# Allegro board SG2042_EVB_V2_0.brd (continued)
## Library data of the parts (continued)
FB4 FB12-FB20 FB1110 FB2014 FB2017 FB2019 FB2026-FB2029 FB2032 FB2033 FB2036 FB2040-FB2045 FB2047-FB2050 = FB
FB1106 = Ferrite
GPIO1 SMCL1 T2-T8 T79-T90 TP30-TP34 = TP30
H1-H10 H1607-H1610 = HOLE_3
ID1-ID6 = ID
J1-J4 = DDR4_RDIMM_SOCKET
J7 J13 J14 J17 J2022 = HEADER 12X2
J8 = Conn_microSD_3
J9 = RJ45_3
J10 = JTAG_2X10_1.54mm
J73 J2048 = SATA_DOM
J103 = U20401-2_1
J201 = HEADER_4
J1104 = PCIE_X16_SLOT_2
J2005 = HEADER_6
J2030 = CON_M2_PCI_EXP#1
J2033 J2034 = PCIEX4_3
J2036 = PCIEX1_1
J2038-J2041 = CON-2_54-4
J2045 = Header_2X10_Cut
J2046 = PCIEX8
J2047 = USB2_6.0+HDMI
K2 = KEY_0
L1 L5 L7 L22 L23 L26 L27 L38-L45 L1011 L1012 L1027 L1028 L1031-L1038 = Inductor
L1007 L1008 L1017 L1018 L1029 L1030 = ACM2012E-900-2P-T002
LED1 LED500-LED502 = LED_2PIN
MEC1 MEC2402 MEC2403 = MEC_STANDOFF
Q403 Q2008-Q2010 Q2018 Q2020 Q2022 Q2024-Q2036 = NMOS_3PIN
Q501 = 2N1069_1
R1-R18 R68-R85 R95 R173 R189 R235 R286-R299 R304 R306 R310 R313 R324 R339 R344 R353 R357 R443 R445 R449 R450 R489-R496 R576 R655 R657 R659 R660 R674-R677 R679 R680 R682 R685 R686 R701 R1142 R1144-R1146 R1305 R1306 R1311 R1312 R1332 R1334 R1335 R1348 R1350-R1352 R2021 R2023-R2025 R2037 R2054 R2056-R2060 R2068-R2088 R2091-R2094 R2098-R2101 R2104 R2106 R2111 R2112 R2114 R2183 R2186-R2189 R2198-R2200 R2250-R2253 R2303 R2304 R2331-R2338 R2340-R2344 R2383-R2385 R2393 R2440-R2443 R2445 R2446 R2466 R2467 R2490 R2491 R2495 R2514 R2516-R2518 R2520-R2522 R2527 R2528 R2579 R2582 R2583 R2585-R2588 R12484 R12486 R12487 R12489-R12494 R12496 R12498 R12500-R12510 R12512-R12514 R12517-R12519 R12521-R12524 R12526 R12527 R12531 R12536 R12539 R12552-R12560 R12562 R12564 R12568-R12574 R12577-R12581 R12584-R12588 R12592-R12599 R12612-R12617 R12662-R12670 R12672 R12673 R12675-R12678 R12718-R12725 R12746 R12747 R12750 R12751 R12754 R12755 R12758-R12771 R12796-R12801 R12807-R12810 R12815-R12820 R12822 R12823 R12825-R12837 R12841 R12842 R12845 R12847-R12851 R12853-R12856 R12858 R12860-R12863 R12867 R12869-R12873 R12875 R12876 R12879-R12882 R12885-R12888 R12905-R12919 R12922-R12924 R12947-R12958 R12961-R12977 R12979-R12983 R12985-R12989 R12991-R12997 R13016-R13024 R13029-R13031 = Resistor
R19-R24 R31-R34 R38-R42 R87-R90 R104 R106-R117 R124 R139 R143 R144 R147 R150 R153 R156 R161 R186 R196-R202 R208 R311 R470 R471 R483 R484 R1265 R2066 R2067 R2190-R2197 R2470 R2471 R2584 R12488 R12674 R12679-R12694 R12838 R12864 R12959 R12960 R12998-R13003 R13012-R13015 = R
R25-R30 R45 R48 R52 R55 R98-R101 R105 R119-R123 R125-R137 R141 R142 R145 R148 R151 R154 R159 R160 R162 R163 R167-R172 R174 R180 R184 R185 R188 R190 R191 R205 R206 R216 R218 R221 R223-R225 R230-R234 R236-R244 R246-R249 R252 R254 R255 R257 R258 R272 R276-R278 R307 R341 R354 R472-R475 R580 R588 R593 R597-R600 R1143 R1263 R1264 R1266 R1349 R2117 R2118 R2127 R2180 R2184 R2185 R2203-R2209 R2211-R2230 R2233 R2234 R2247 R2248 R2254 R2255 R2276-R2278 R2280-R2282 R2301 R2302 R2306 R2386-R2389 R2474 R2515 R2529-R2539 R2544 R2545 R2547 R2548 R2551 R2555-R2557 R2562-R2568 R2580 R12485 R12671 R12695-R12715 R12727 R12728 R12730-R12745 R12846 R12859 R12920 R12921 R12925-R12930 R12978 R12984 R12990 = R_10K
R36 R46 R47 R49-R51 R53 R54 R207 R209-R212 R215 R217 R219 R220 R222 R1220-R1235 R1246-R1254 = R_10K: signal model: R_10K_R0402_22_22
R58 R2113 R2241-R2244 R12839 R12840 R12843 R12844 R12852 R12857 R12865 R12866 R12868 R12874 R12877 R12878 = RESISTOR
R61-R63 R65-R67 R266-R271 R274 R275 R280-R285 R1214-R1219 R1267 R1268 R2299 R2525 R2526 R12495 R12497 R12499 R12561 R12589-R12591 = Resistor: signal model: RESISTOR_R0402_22_22
R91-R94 = R_4
R118 R138 = R_0
R1141 = SR0402_10K_+/-1%
R12453-R12456 R12600-R12611 R12784-R12795 R12931 R12932 R12934-R12939 R12943-R12946 R13025-R13028 = Resistor: signal model: RESISTOR_R0402_0R_1%_0R_1%
R12716 R12717 R13004-R13011 = R: signal model: R_R0402_22_22
SATA_P1 SATA_P2 = HEADER 4
SW201 = SW KEY-SPST
SW202 = SW DIP-6/SM
T1 = XFMR-H5007-NS_0: signal model: XFMR-H5007-NS_0_SOP24-50-1218-062_G2405CG_G2405CG
U1 = SG2042-0202
U2 = THGBMFG8C4LBAIR
U5 U13 = TPS22908
U7 = RTL8211FD-CG
U11 = TMP461AIRUNR_0
U12 U14 U806 U807 U814 U2003 U2006 U2010 U2018 = TXS0108E
U17 = LMK00338
U19 U28 U31 U808 U816 U2019 U2027 U3234 U3252 U3276-U3278 = MP1653
U29 U3271 = IS6606_0
U47 U56 = SQ24335DBD
U60 U3251 U3272 = SQ29020VDC
U202 = ISL68127IRAZ-T
U805 = CP2102
U813 = M25P128VME6TPB_Numonyx_1
U2001 = DS1307
U2004 U2005 = TP199A2T
U2009 = GD32E503VCT6
U3235 = ASMx812
U3236 U3238 U3242 U3260 U3275 = SPI-FLASH-8PIN
U3237 = ASM1061_0
U3239 U3254 = SGM2534A
U3241 U3259 = uPD720171_0
U3243 U3244 U3256 U3257 U3261 U3279-U3281 = SY6280AAAC
U3253 = PCA9848_1
U3262-U3268 = ISL99360FRZ-T
U3269 U3270 = MP8796B
U3273 = SM768_AB_final_3
U3274 = NXS0102DC
X1-X4 X9 = SMA-025000-3XY4T4
X5 = XTAL-SMD-4P
X6-X8 = XTL571150-T234-367
Y1 Y2001 = 7V25000053
Y2 = Crystal_0
Y2000 = XTAL_25MHz_0

## Footprints (pads in the part's own frame, mm; a bottom-side part is the same pattern mirrored in y, then rotated)
BAT-SMD1220
  round 1.321 hole 1.321 unplated: (-3.5,0) (4,0)
  rect 4.064x2.591 smd: 1(8.484,0) 2(-7.76,0)
BGA4-20-0202
  round 0.25 smd: A1(-0.25,-0.25) A2(-0.25,0.25) B1(0.25,-0.25) B2(0.25,0.25)
BGA425-080-190X190-H014
  round 0.4 smd: A1(-8.8,8.8) A2(-8,8.8) A3(-7.2,8.8) A4(-6.4,8.8) A5(-5.6,8.8) A6(-4.8,8.8) A7(-4,8.8) A8(-3.2,8.8) A9(-2.4,8.8) A10(-1.6,8.8) A11(-0.8,8.8) A12(0,8.8) A13(0.8,8.8) A14(1.6,8.8) A15(2.4,8.8) A16(3.2,8.8) A17(4,8.8) A18(4.8,8.8) A19(5.6,8.8) A20(6.4,8.8) A21(7.2,8.8) A22(8,8.8) A23(8.8,8.8) AA1(-8.8,-7.2) AA2(-8,-7.2) AA3(-7.2,-7.2) AA4(-6.4,-7.2) AA5(-5.6,-7.2) AA6(-4.8,-7.2) AA7(-4,-7.2) AA8(-3.2,-7.2) AA9(-2.4,-7.2) AA10(-1.6,-7.2) AA11(-0.8,-7.2) AA12(0,-7.2) AA13(0.8,-7.2) AA14(1.6,-7.2) AA15(2.4,-7.2) AA16(3.2,-7.2) AA17(4,-7.2) AA18(4.8,-7.2) AA19(5.6,-7.2) AA20(6.4,-7.2) AA21(7.2,-7.2) AA22(8,-7.2) AA23(8.8,-7.2) AB1(-8.8,-8) AB2(-8,-8) AB3(-7.2,-8) AB4(-6.4,-8) AB5(-5.6,-8) AB6(-4.8,-8) AB7(-4,-8) AB8(-3.2,-8) AB9(-2.4,-8) AB10(-1.6,-8) AB11(-0.8,-8) AB12(0,-8) AB13(0.8,-8) AB14(1.6,-8) AB15(2.4,-8) AB16(3.2,-8) AB17(4,-8) AB18(4.8,-8) AB19(5.6,-8) AB20(6.4,-8) AB21(7.2,-8) AB22(8,-8) AB23(8.8,-8) AC1(-8.8,-8.8) AC2(-8,-8.8) AC3(-7.2,-8.8) AC4(-6.4,-8.8) AC5(-5.6,-8.8) AC6(-4.8,-8.8) AC7(-4,-8.8) AC8(-3.2,-8.8) AC9(-2.4,-8.8) AC10(-1.6,-8.8) AC11(-0.8,-8.8) AC12(0,-8.8) AC13(0.8,-8.8) AC14(1.6,-8.8) AC15(2.4,-8.8) AC16(3.2,-8.8) AC17(4,-8.8) AC18(4.8,-8.8) AC19(5.6,-8.8) AC20(6.4,-8.8) AC21(7.2,-8.8) AC22(8,-8.8) AC23(8.8,-8.8) B1(-8.8,8) B2(-8,8) B3(-7.2,8) B4(-6.4,8) B5(-5.6,8) B6(-4.8,8) B7(-4,8) B8(-3.2,8) B9(-2.4,8) B10(-1.6,8) B11(-0.8,8) B12(0,8) B13(0.8,8) B14(1.6,8) B15(2.4,8) B16(3.2,8) B17(4,8) B18(4.8,8) B19(5.6,8) B20(6.4,8) B21(7.2,8) B22(8,8) B23(8.8,8) C1(-8.8,7.2) C2(-8,7.2) C3(-7.2,7.2) C4(-6.4,7.2) C5(-5.6,7.2) C6(-4.8,7.2) C7(-4,7.2) C8(-3.2,7.2) C9(-2.4,7.2) C10(-1.6,7.2) C11(-0.8,7.2) C12(0,7.2) C13(0.8,7.2) C14(1.6,7.2) C15(2.4,7.2) C16(3.2,7.2) C17(4,7.2) C18(4.8,7.2) C19(5.6,7.2) C20(6.4,7.2) C21(7.2,7.2) C22(8,7.2) C23(8.8,7.2) D1(-8.8,6.4) D2(-8,6.4) D3(-7.2,6.4) D21(7.2,6.4) D22(8,6.4) D23(8.8,6.4) E1(-8.8,5.6) E2(-8,5.6) E3(-7.2,5.6) E5(-5.6,5.6) E6(-4.8,5.6) E7(-4,5.6) E8(-3.2,5.6) E9(-2.4,5.6) E10(-1.6,5.6) E11(-0.8,5.6) E12(0,5.6) E13(0.8,5.6) E14(1.6,5.6) E15(2.4,5.6) E16(3.2,5.6) E17(4,5.6) E18(4.8,5.6) E19(5.6,5.6) E21(7.2,5.6) E22(8,5.6) E23(8.8,5.6) F1(-8.8,4.8) F2(-8,4.8) F3(-7.2,4.8) F5(-5.6,4.8) F6(-4.8,4.8) F7(-4,4.8) F8(-3.2,4.8) F9(-2.4,4.8) F10(-1.6,4.8) F11(-0.8,4.8) F12(0,4.8) F13(0.8,4.8) F14(1.6,4.8) F15(2.4,4.8) F16(3.2,4.8) F17(4,4.8) F18(4.8,4.8) F19(5.6,4.8) F21(7.2,4.8) F22(8,4.8) F23(8.8,4.8) G1(-8.8,4) G2(-8,4) G3(-7.2,4) G5(-5.6,4) G6(-4.8,4) G18(4.8,4) G19(5.6,4) G21(7.2,4) G22(8,4) G23(8.8,4) H1(-8.8,3.2) H2(-8,3.2) H3(-7.2,3.2) H5(-5.6,3.2) H6(-4.8,3.2) H8(-3.2,3.2) H9(-2.4,3.2) H10(-1.6,3.2) H11(-0.8,3.2) H12(0,3.2) H13(0.8,3.2) H14(1.6,3.2) H15(2.4,3.2) H16(3.2,3.2) H18(4.8,3.2) H19(5.6,3.2) H21(7.2,3.2) H22(8,3.2) H23(8.8,3.2) J1(-8.8,2.4) J2(-8,2.4) J3(-7.2,2.4) J5(-5.6,2.4) J6(-4.8,2.4) J8(-3.2,2.4) J9(-2.4,2.4) J10(-1.6,2.4) J11(-0.8,2.4) J12(0,2.4) J13(0.8,2.4) J14(1.6,2.4) J15(2.4,2.4) J16(3.2,2.4) J18(4.8,2.4) J19(5.6,2.4) J21(7.2,2.4) J22(8,2.4) J23(8.8,2.4) K1(-8.8,1.6) K2(-8,1.6) K3(-7.2,1.6) K5(-5.6,1.6) K6(-4.8,1.6) K8(-3.2,1.6) K9(-2.4,1.6) K10(-1.6,1.6) K11(-0.8,1.6) K12(0,1.6) K13(0.8,1.6) K14(1.6,1.6) K15(2.4,1.6) K16(3.2,1.6) K18(4.8,1.6) K19(5.6,1.6) K21(7.2,1.6) K22(8,1.6) K23(8.8,1.6) L1(-8.8,0.8) L2(-8,0.8) L3(-7.2,0.8) L5(-5.6,0.8) L6(-4.8,0.8) L8(-3.2,0.8) L9(-2.4,0.8) L10(-1.6,0.8) L11(-0.8,0.8) L12(0,0.8) L13(0.8,0.8) L14(1.6,0.8) L15(2.4,0.8) L16(3.2,0.8) L18(4.8,0.8) L19(5.6,0.8) L21(7.2,0.8) L22(8,0.8) L23(8.8,0.8) M1(-8.8,0) M2(-8,0) M3(-7.2,0) M5(-5.6,0) M6(-4.8,0) M8(-3.2,0) M9(-2.4,0) M10(-1.6,0) M11(-0.8,0) M12(0,0) M13(0.8,0) M14(1.6,0) M15(2.4,0) M16(3.2,0) M18(4.8,0) M19(5.6,0) M21(7.2,0) M22(8,0) M23(8.8,0) N1(-8.8,-0.8) N2(-8,-0.8) N3(-7.2,-0.8) N5(-5.6,-0.8) N6(-4.8,-0.8) N8(-3.2,-0.8) N9(-2.4,-0.8) N10(-1.6,-0.8) N11(-0.8,-0.8) N12(0,-0.8) N13(0.8,-0.8) N14(1.6,-0.8) N15(2.4,-0.8) N16(3.2,-0.8) N18(4.8,-0.8) N19(5.6,-0.8) N21(7.2,-0.8) N22(8,-0.8) N23(8.8,-0.8) P1(-8.8,-1.6) P2(-8,-1.6) P3(-7.2,-1.6) P5(-5.6,-1.6) P6(-4.8,-1.6) P8(-3.2,-1.6) P9(-2.4,-1.6) P10(-1.6,-1.6) P11(-0.8,-1.6) P12(0,-1.6) P13(0.8,-1.6) P14(1.6,-1.6) P15(2.4,-1.6) P16(3.2,-1.6) P18(4.8,-1.6) P19(5.6,-1.6) P21(7.2,-1.6) P22(8,-1.6) P23(8.8,-1.6) R1(-8.8,-2.4) R2(-8,-2.4) R3(-7.2,-2.4) R5(-5.6,-2.4) R6(-4.8,-2.4) R8(-3.2,-2.4) R9(-2.4,-2.4) R10(-1.6,-2.4) R11(-0.8,-2.4) R12(0,-2.4) R13(0.8,-2.4) R14(1.6,-2.4) R15(2.4,-2.4) R16(3.2,-2.4) R18(4.8,-2.4) R19(5.6,-2.4) R21(7.2,-2.4) R22(8,-2.4) R23(8.8,-2.4) T1(-8.8,-3.2) T2(-8,-3.2) T3(-7.2,-3.2) T5(-5.6,-3.2) T6(-4.8,-3.2) T8(-3.2,-3.2) T9(-2.4,-3.2) T10(-1.6,-3.2) T11(-0.8,-3.2) T12(0,-3.2) T13(0.8,-3.2) T14(1.6,-3.2) T15(2.4,-3.2) T16(3.2,-3.2) T18(4.8,-3.2) T19(5.6,-3.2) T21(7.2,-3.2) T22(8,-3.2) T23(8.8,-3.2) U1(-8.8,-4) U2(-8,-4) U3(-7.2,-4) U5(-5.6,-4) U6(-4.8,-4) U18(4.8,-4) U19(5.6,-4) U21(7.2,-4) U22(8,-4) U23(8.8,-4) V1(-8.8,-4.8) V2(-8,-4.8) V3(-7.2,-4.8) V5(-5.6,-4.8) V6(-4.8,-4.8) V7(-4,-4.8) V8(-3.2,-4.8) V9(-2.4,-4.8) V10(-1.6,-4.8) V11(-0.8,-4.8) V12(0,-4.8) V13(0.8,-4.8) V14(1.6,-4.8) V15(2.4,-4.8) V16(3.2,-4.8) V17(4,-4.8) V18(4.8,-4.8) V19(5.6,-4.8) V21(7.2,-4.8) V22(8,-4.8) V23(8.8,-4.8) W1(-8.8,-5.6) W2(-8,-5.6) W3(-7.2,-5.6) W5(-5.6,-5.6) W6(-4.8,-5.6) W7(-4,-5.6) W8(-3.2,-5.6) W9(-2.4,-5.6) W10(-1.6,-5.6) W11(-0.8,-5.6) W12(0,-5.6) W13(0.8,-5.6) W14(1.6,-5.6) W15(2.4,-5.6) W16(3.2,-5.6) W17(4,-5.6) W18(4.8,-5.6) W19(5.6,-5.6) W21(7.2,-5.6) W22(8,-5.6) W23(8.8,-5.6) Y1(-8.8,-6.4) Y2(-8,-6.4) Y3(-7.2,-6.4) Y21(7.2,-6.4) Y22(8,-6.4) Y23(8.8,-6.4)
BGA492-080-210X210
  round 0.4 smd: A1(-10,10) A2(-9.2,10) A3(-8.4,10) A4(-7.6,10) A5(-6.8,10) A6(-6,10) A7(-5.2,10) A8(-4.4,10) A9(-3.6,10) A10(-2.8,10) A11(-2,10) A12(-1.2,10) A13(-0.4,10) A14(0.4,10) A15(1.2,10) A16(2,10) A17(2.8,10) A18(3.6,10) A19(4.4,10) A20(5.2,10) A21(6,10) A22(6.8,10) A23(7.6,10) A24(8.4,10) A25(9.2,10) A26(10,10) AA1(-10,-6) AA2(-9.2,-6) AA3(-8.4,-6) AA4(-7.6,-6) AA5(-6.8,-6) AA6(-6,-6) AA7(-5.2,-6) AA8(-4.4,-6) AA9(-3.6,-6) AA12(-1.2,-6) AA13(-0.4,-6) AA14(0.4,-6) AA15(1.2,-6) AA16(2,-6) AA24(8.4,-6) AA25(9.2,-6) AA26(10,-6) AB1(-10,-6.8) AB2(-9.2,-6.8) AB3(-8.4,-6.8) AB4(-7.6,-6.8) AB5(-6.8,-6.8) AB6(-6,-6.8) AB7(-5.2,-6.8) AB8(-4.4,-6.8) AB9(-3.6,-6.8) AB10(-2.8,-6.8) AB11(-2,-6.8) AB12(-1.2,-6.8) AB13(-0.4,-6.8) AB14(0.4,-6.8) AB17(2.8,-6.8) AB18(3.6,-6.8) AB21(6,-6.8) AB22(6.8,-6.8) AB23(7.6,-6.8) AB24(8.4,-6.8) AB25(9.2,-6.8) AB26(10,-6.8) AC1(-10,-7.6) AC2(-9.2,-7.6) AC3(-8.4,-7.6) AC4(-7.6,-7.6) AC5(-6.8,-7.6) AC6(-6,-7.6) AC7(-5.2,-7.6) AC8(-4.4,-7.6) AC9(-3.6,-7.6) AC10(-2.8,-7.6) AC11(-2,-7.6) AC12(-1.2,-7.6) AC13(-0.4,-7.6) AC14(0.4,-7.6) AC15(1.2,-7.6) AC16(2,-7.6) AC17(2.8,-7.6) AC18(3.6,-7.6) AC19(4.4,-7.6) AC20(5.2,-7.6) AC21(6,-7.6) AC22(6.8,-7.6) AC23(7.6,-7.6) AC24(8.4,-7.6) AC25(9.2,-7.6) AC26(10,-7.6) AD1(-10,-8.4) AD2(-9.2,-8.4) AD3(-8.4,-8.4) AD4(-7.6,-8.4) AD5(-6.8,-8.4) AD6(-6,-8.4) AD7(-5.2,-8.4) AD8(-4.4,-8.4) AD9(-3.6,-8.4) AD10(-2.8,-8.4) AD11(-2,-8.4) AD12(-1.2,-8.4) AD13(-0.4,-8.4) AD14(0.4,-8.4) AD15(1.2,-8.4) AD16(2,-8.4) AD17(2.8,-8.4) AD18(3.6,-8.4) AD19(4.4,-8.4) AD20(5.2,-8.4) AD21(6,-8.4) AD22(6.8,-8.4) AD23(7.6,-8.4) AD24(8.4,-8.4) AD25(9.2,-8.4) AD26(10,-8.4) AE1(-10,-9.2) AE2(-9.2,-9.2) AE3(-8.4,-9.2) AE4(-7.6,-9.2) AE5(-6.8,-9.2) AE6(-6,-9.2) AE7(-5.2,-9.2) AE8(-4.4,-9.2) AE9(-3.6,-9.2) AE10(-2.8,-9.2) AE11(-2,-9.2) AE12(-1.2,-9.2) AE13(-0.4,-9.2) AE14(0.4,-9.2) AE15(1.2,-9.2) AE16(2,-9.2) AE17(2.8,-9.2) AE18(3.6,-9.2) AE19(4.4,-9.2) AE20(5.2,-9.2) AE21(6,-9.2) AE22(6.8,-9.2) AE23(7.6,-9.2) AE24(8.4,-9.2) AE25(9.2,-9.2) AE26(10,-9.2) AF1(-10,-10) AF2(-9.2,-10) AF3(-8.4,-10) AF4(-7.6,-10) AF5(-6.8,-10) AF6(-6,-10) AF7(-5.2,-10) AF8(-4.4,-10) AF9(-3.6,-10) AF10(-2.8,-10) AF11(-2,-10) AF12(-1.2,-10) AF13(-0.4,-10) AF14(0.4,-10) AF15(1.2,-10) AF16(2,-10) AF17(2.8,-10) AF18(3.6,-10) AF19(4.4,-10) AF20(5.2,-10) AF21(6,-10) AF22(6.8,-10) AF23(7.6,-10) AF24(8.4,-10) AF25(9.2,-10) AF26(10,-10) B1(-10,9.2) B2(-9.2,9.2) B3(-8.4,9.2) B4(-7.6,9.2) B5(-6.8,9.2) B6(-6,9.2) B7(-5.2,9.2) B8(-4.4,9.2) B9(-3.6,9.2) B10(-2.8,9.2) B11(-2,9.2) B12(-1.2,9.2) B13(-0.4,9.2) B14(0.4,9.2) B15(1.2,9.2) B16(2,9.2) B17(2.8,9.2) B18(3.6,9.2) B19(4.4,9.2) B20(5.2,9.2) B21(6,9.2) B22(6.8,9.2) B23(7.6,9.2) B24(8.4,9.2) B25(9.2,9.2) B26(10,9.2) C1(-10,8.4) C2(-9.2,8.4) C3(-8.4,8.4) C4(-7.6,8.4) C5(-6.8,8.4) C6(-6,8.4) C7(-5.2,8.4) C8(-4.4,8.4) C9(-3.6,8.4) C10(-2.8,8.4) C11(-2,8.4) C12(-1.2,8.4) C13(-0.4,8.4) C14(0.4,8.4) C15(1.2,8.4) C16(2,8.4) C17(2.8,8.4) C18(3.6,8.4) C19(4.4,8.4) C20(5.2,8.4) C21(6,8.4) C22(6.8,8.4) C23(7.6,8.4) C24(8.4,8.4) C25(9.2,8.4) C26(10,8.4) D1(-10,7.6) D2(-9.2,7.6) D3(-8.4,7.6) D4(-7.6,7.6) D5(-6.8,7.6) D6(-6,7.6) D7(-5.2,7.6) D8(-4.4,7.6) D9(-3.6,7.6) D10(-2.8,7.6) D11(-2,7.6) D12(-1.2,7.6) D13(-0.4,7.6) D14(0.4,7.6) D15(1.2,7.6) D16(2,7.6) D17(2.8,7.6) D18(3.6,7.6) D19(4.4,7.6) D20(5.2,7.6) D21(6,7.6) D22(6.8,7.6) D23(7.6,7.6) D24(8.4,7.6) D25(9.2,7.6) D26(10,7.6) E1(-10,6.8) E2(-9.2,6.8) E3(-8.4,6.8) E4(-7.6,6.8) E5(-6.8,6.8) E6(-6,6.8) E7(-5.2,6.8) E8(-4.4,6.8) E9(-3.6,6.8) E10(-2.8,6.8) E11(-2,6.8) E12(-1.2,6.8) E13(-0.4,6.8) E14(0.4,6.8) E16(2,6.8) E17(2.8,6.8) E18(3.6,6.8) E19(4.4,6.8) E23(7.6,6.8) E24(8.4,6.8) E25(9.2,6.8) E26(10,6.8) F1(-10,6) F2(-9.2,6) F3(-8.4,6) F4(-7.6,6) F5(-6.8,6) F6(-6,6) F7(-5.2,6) F8(-4.4,6) F19(4.4,6) F23(7.6,6) F24(8.4,6) F25(9.2,6) F26(10,6) G1(-10,5.2) G2(-9.2,5.2) G3(-8.4,5.2) G4(-7.6,5.2) G5(-6.8,5.2) G23(7.6,5.2) G24(8.4,5.2) G25(9.2,5.2) G26(10,5.2) H1(-10,4.4) H2(-9.2,4.4) H3(-8.4,4.4) H4(-7.6,4.4) H23(7.6,4.4) H24(8.4,4.4) H25(9.2,4.4) H26(10,4.4) J1(-10,3.6) J2(-9.2,3.6) J3(-8.4,3.6) J4(-7.6,3.6) J8(-4.4,3.6) J9(-3.6,3.6) J10(-2.8,3.6) J11(-2,3.6) J14(0.4,3.6) J15(1.2,3.6) J16(2,3.6) J17(2.8,3.6) J18(3.6,3.6) J23(7.6,3.6) J24(8.4,3.6) J25(9.2,3.6) J26(10,3.6) K1(-10,2.8) K2(-9.2,2.8) K3(-8.4,2.8) K4(-7.6,2.8) K8(-4.4,2.8) K9(-3.6,2.8) K10(-2.8,2.8) K11(-2,2.8) K12(-1.2,2.8) K13(-0.4,2.8) K14(0.4,2.8) K15(1.2,2.8) K16(2,2.8) K17(2.8,2.8) K18(3.6,2.8) K23(7.6,2.8) K24(8.4,2.8) K25(9.2,2.8) K26(10,2.8) L1(-10,2) L2(-9.2,2) L3(-8.4,2) L4(-7.6,2) L8(-4.4,2) L9(-3.6,2) L10(-2.8,2) L11(-2,2) L12(-1.2,2) L13(-0.4,2) L14(0.4,2) L15(1.2,2) L16(2,2) L17(2.8,2) L18(3.6,2) L23(7.6,2) L24(8.4,2) L25(9.2,2) L26(10,2) M1(-10,1.2) M2(-9.2,1.2) M3(-8.4,1.2) M4(-7.6,1.2) M8(-4.4,1.2) M9(-3.6,1.2) M10(-2.8,1.2) M11(-2,1.2) M12(-1.2,1.2) M13(-0.4,1.2) M14(0.4,1.2) M15(1.2,1.2) M16(2,1.2) M17(2.8,1.2) M18(3.6,1.2) M23(7.6,1.2) M24(8.4,1.2) M25(9.2,1.2) M26(10,1.2) N1(-10,0.4) N2(-9.2,0.4) N3(-8.4,0.4) N4(-7.6,0.4) N8(-4.4,0.4) N9(-3.6,0.4) N10(-2.8,0.4) N11(-2,0.4) N12(-1.2,0.4) N13(-0.4,0.4) N14(0.4,0.4) N15(1.2,0.4) N16(2,0.4) N17(2.8,0.4) N18(3.6,0.4) N23(7.6,0.4) N24(8.4,0.4) N25(9.2,0.4) N26(10,0.4) P1(-10,-0.4) P2(-9.2,-0.4) P3(-8.4,-0.4) P4(-7.6,-0.4) P8(-4.4,-0.4) P9(-3.6,-0.4) P10(-2.8,-0.4) P11(-2,-0.4) P12(-1.2,-0.4) P13(-0.4,-0.4) P14(0.4,-0.4) P15(1.2,-0.4) P16(2,-0.4) P17(2.8,-0.4) P18(3.6,-0.4) P23(7.6,-0.4) P24(8.4,-0.4) P25(9.2,-0.4) P26(10,-0.4) R1(-10,-1.2) R2(-9.2,-1.2) R3(-8.4,-1.2) R4(-7.6,-1.2) R8(-4.4,-1.2) R9(-3.6,-1.2) R10(-2.8,-1.2) R11(-2,-1.2) R12(-1.2,-1.2) R13(-0.4,-1.2) R14(0.4,-1.2) R15(1.2,-1.2) R16(2,-1.2) R17(2.8,-1.2) R18(3.6,-1.2) R23(7.6,-1.2) R24(8.4,-1.2) R25(9.2,-1.2) R26(10,-1.2) T1(-10,-2) T2(-9.2,-2) T3(-8.4,-2) T4(-7.6,-2) T8(-4.4,-2) T9(-3.6,-2) T10(-2.8,-2) T11(-2,-2) T12(-1.2,-2) T13(-0.4,-2) T14(0.4,-2) T15(1.2,-2) T16(2,-2) T17(2.8,-2) T18(3.6,-2) T23(7.6,-2) T24(8.4,-2) T25(9.2,-2) T26(10,-2) U1(-10,-2.8) U2(-9.2,-2.8) U3(-8.4,-2.8) U4(-7.6,-2.8) U8(-4.4,-2.8) U9(-3.6,-2.8) U10(-2.8,-2.8) U13(-0.4,-2.8) U14(0.4,-2.8) U15(1.2,-2.8) U16(2,-2.8) U17(2.8,-2.8) U18(3.6,-2.8) U23(7.6,-2.8) U24(8.4,-2.8) U25(9.2,-2.8) U26(10,-2.8) V1(-10,-3.6) V2(-9.2,-3.6) V3(-8.4,-3.6) V4(-7.6,-3.6) V23(7.6,-3.6) V24(8.4,-3.6) V25(9.2,-3.6) V26(10,-3.6) W1(-10,-4.4) W2(-9.2,-4.4) W3(-8.4,-4.4) W4(-7.6,-4.4) W22(6.8,-4.4) W23(7.6,-4.4) W24(8.4,-4.4) W25(9.2,-4.4) W26(10,-4.4) Y1(-10,-5.2) Y2(-9.2,-5.2) Y3(-8.4,-5.2) Y4(-7.6,-5.2) Y22(6.8,-5.2) Y23(7.6,-5.2) Y24(8.4,-5.2) Y25(9.2,-5.2) Y26(10,-5.2)
BGA3044-100-5757
  round 0.45 smd: A1(-27.5,27.5) A2(-26.5,27.5) A3(-25.5,27.5) A4(-24.5,27.5) A5(-23.5,27.5) A6(-22.5,27.5) A7(-21.5,27.5) A8(-20.5,27.5) A9(-19.5,27.5) A10(-18.5,27.5) A11(-17.5,27.5) A12(-16.5,27.5) A13(-15.5,27.5) A14(-14.5,27.5) A15(-13.5,27.5) A16(-12.5,27.5) A17(-11.5,27.5) A18(-10.5,27.5) A19(-9.5,27.5) A20(-8.5,27.5) A21(-7.5,27.5) A22(-6.5,27.5) A23(-5.5,27.5) A24(-4.5,27.5) A25(-3.5,27.5) A26(-2.5,27.5) A27(-1.5,27.5) A28(-0.5,27.5) A29(0.5,27.5) A30(1.5,27.5) A31(2.5,27.5) A32(3.5,27.5) A33(4.5,27.5) A34(5.5,27.5) A35(6.5,27.5) A36(7.5,27.5) A37(8.5,27.5) A38(9.5,27.5) A39(10.5,27.5) A40(11.5,27.5) A41(12.5,27.5) A42(13.5,27.5) A43(14.5,27.5) A44(15.5,27.5) A45(16.5,27.5) A46(17.5,27.5) A47(18.5,27.5) A48(19.5,27.5) A49(20.5,27.5) A50(21.5,27.5) A51(22.5,27.5) A52(23.5,27.5) A53(24.5,27.5) A54(25.5,27.5) A55(26.5,27.5) A56(27.5,27.5) AA1(-27.5,7.5) AA2(-26.5,7.5) AA3(-25.5,7.5) AA4(-24.5,7.5) AA5(-23.5,7.5) AA6(-22.5,7.5) AA7(-21.5,7.5) AA8(-20.5,7.5) AA9(-19.5,7.5) AA10(-18.5,7.5) AA11(-17.5,7.5) AA12(-16.5,7.5) AA13(-15.5,7.5) AA14(-14.5,7.5) AA15(-13.5,7.5) AA16(-12.5,7.5) AA18(-10.5,7.5) AA19(-9.5,7.5) AA20(-8.5,7.5) AA21(-7.5,7.5) AA22(-6.5,7.5) AA23(-5.5,7.5) AA24(-4.5,7.5) AA25(-3.5,7.5) AA26(-2.5,7.5) AA27(-1.5,7.5) AA28(-0.5,7.5) AA29(0.5,7.5) AA30(1.5,7.5) AA31(2.5,7.5) AA32(3.5,7.5) AA33(4.5,7.5) AA34(5.5,7.5) AA35(6.5,7.5) AA36(7.5,7.5) AA37(8.5,7.5) AA38(9.5,7.5) AA39(10.5,7.5) AA41(12.5,7.5) AA42(13.5,7.5) AA43(14.5,7.5) AA44(15.5,7.5) AA45(16.5,7.5) AA46(17.5,7.5) AA47(18.5,7.5) AA48(19.5,7.5) AA49(20.5,7.5) AA50(21.5,7.5) AA51(22.5,7.5) AA52(23.5,7.5) AA53(24.5,7.5) AA54(25.5,7.5) AA55(26.5,7.5) AA56(27.5,7.5) AB1(-27.5,6.5) AB2(-26.5,6.5) AB3(-25.5,6.5) AB4(-24.5,6.5) AB5(-23.5,6.5) AB6(-22.5,6.5) AB7(-21.5,6.5) AB8(-20.5,6.5) AB9(-19.5,6.5) AB10(-18.5,6.5) AB11(-17.5,6.5) AB12(-16.5,6.5) AB13(-15.5,6.5) AB14(-14.5,6.5) AB15(-13.5,6.5) AB16(-12.5,6.5) AB18(-10.5,6.5) AB19(-9.5,6.5) AB20(-8.5,6.5) AB21(-7.5,6.5) AB22(-6.5,6.5) AB23(-5.5,6.5) AB24(-4.5,6.5) AB25(-3.5,6.5) AB26(-2.5,6.5) AB27(-1.5,6.5) AB28(-0.5,6.5) AB29(0.5,6.5) AB30(1.5,6.5) AB31(2.5,6.5) AB32(3.5,6.5) AB33(4.5,6.5) AB34(5.5,6.5) AB35(6.5,6.5) AB36(7.5,6.5) AB37(8.5,6.5) AB38(9.5,6.5) AB39(10.5,6.5) AB41(12.5,6.5) AB42(13.5,6.5) AB43(14.5,6.5) AB44(15.5,6.5) AB45(16.5,6.5) AB46(17.5,6.5) AB47(18.5,6.5) AB48(19.5,6.5) AB49(20.5,6.5) AB50(21.5,6.5) AB51(22.5,6.5) AB52(23.5,6.5) AB53(24.5,6.5) AB54(25.5,6.5) AB55(26.5,6.5) AB56(27.5,6.5) AC1(-27.5,5.5) AC2(-26.5,5.5) AC3(-25.5,5.5) AC4(-24.5,5.5) AC5(-23.5,5.5) AC6(-22.5,5.5) AC7(-21.5,5.5) AC8(-20.5,5.5) AC9(-19.5,5.5) AC10(-18.5,5.5) AC11(-17.5,5.5) AC12(-16.5,5.5) AC13(-15.5,5.5) AC14(-14.5,5.5) AC15(-13.5,5.5) AC16(-12.5,5.5) AC18(-10.5,5.5) AC19(-9.5,5.5) AC20(-8.5,5.5) AC21(-7.5,5.5) AC22(-6.5,5.5) AC23(-5.5,5.5) AC24(-4.5,5.5) AC25(-3.5,5.5) AC26(-2.5,5.5) AC27(-1.5,5.5) AC28(-0.5,5.5) AC29(0.5,5.5) AC30(1.5,5.5) AC31(2.5,5.5) AC32(3.5,5.5) AC33(4.5,5.5) AC34(5.5,5.5) AC35(6.5,5.5) AC36(7.5,5.5) AC37(8.5,5.5) AC38(9.5,5.5) AC39(10.5,5.5) AC41(12.5,5.5) AC42(13.5,5.5) AC43(14.5,5.5) AC44(15.5,5.5) AC45(16.5,5.5) AC46(17.5,5.5) AC47(18.5,5.5) AC48(19.5,5.5) AC49(20.5,5.5) AC50(21.5,5.5) AC51(22.5,5.5) AC52(23.5,5.5) AC53(24.5,5.5) AC54(25.5,5.5) AC55(26.5,5.5) AC56(27.5,5.5) AD1(-27.5,4.5) AD2(-26.5,4.5) AD3(-25.5,4.5) AD4(-24.5,4.5) AD5(-23.5,4.5) AD6(-22.5,4.5) AD7(-21.5,4.5) AD8(-20.5,4.5) AD9(-19.5,4.5) AD10(-18.5,4.5) AD11(-17.5,4.5) AD12(-16.5,4.5) AD13(-15.5,4.5) AD14(-14.5,4.5) AD15(-13.5,4.5) AD16(-12.5,4.5) AD18(-10.5,4.5) AD19(-9.5,4.5) AD20(-8.5,4.5) AD21(-7.5,4.5) AD22(-6.5,4.5) AD23(-5.5,4.5) AD24(-4.5,4.5) AD25(-3.5,4.5) AD26(-2.5,4.5) AD27(-1.5,4.5) AD28(-0.5,4.5) AD29(0.5,4.5) AD30(1.5,4.5) AD31(2.5,4.5) AD32(3.5,4.5) AD33(4.5,4.5) AD34(5.5,4.5) AD35(6.5,4.5) AD36(7.5,4.5) AD37(8.5,4.5) AD38(9.5,4.5) AD39(10.5,4.5) AD41(12.5,4.5) AD42(13.5,4.5) AD43(14.5,4.5) AD44(15.5,4.5) AD45(16.5,4.5) AD46(17.5,4.5) AD47(18.5,4.5) AD48(19.5,4.5) AD49(20.5,4.5) AD50(21.5,4.5) AD51(22.5,4.5) AD52(23.5,4.5) AD53(24.5,4.5) AD54(25.5,4.5) AD55(26.5,4.5) AD56(27.5,4.5) AE1(-27.5,3.5) AE2(-26.5,3.5) AE3(-25.5,3.5) AE4(-24.5,3.5) AE5(-23.5,3.5) AE6(-22.5,3.5) AE7(-21.5,3.5) AE8(-20.5,3.5) AE9(-19.5,3.5) AE10(-18.5,3.5) AE11(-17.5,3.5) AE12(-16.5,3.5) AE13(-15.5,3.5) AE14(-14.5,3.5) AE15(-13.5,3.5) AE16(-12.5,3.5) AE18(-10.5,3.5) AE19(-9.5,3.5) AE20(-8.5,3.5) AE21(-7.5,3.5) AE22(-6.5,3.5) AE23(-5.5,3.5) AE24(-4.5,3.5) AE25(-3.5,3.5) AE26(-2.5,3.5) AE27(-1.5,3.5) AE28(-0.5,3.5) AE29(0.5,3.5) AE30(1.5,3.5) AE31(2.5,3.5) AE32(3.5,3.5) AE33(4.5,3.5) AE34(5.5,3.5) AE35(6.5,3.5) AE36(7.5,3.5) AE37(8.5,3.5) AE38(9.5,3.5) AE39(10.5,3.5) AE41(12.5,3.5) AE42(13.5,3.5) AE43(14.5,3.5) AE44(15.5,3.5) AE45(16.5,3.5) AE46(17.5,3.5) AE47(18.5,3.5) AE48(19.5,3.5) AE49(20.5,3.5) AE50(21.5,3.5) AE51(22.5,3.5) AE52(23.5,3.5) AE53(24.5,3.5) AE54(25.5,3.5) AE55(26.5,3.5) AE56(27.5,3.5) AF1(-27.5,2.5) AF2(-26.5,2.5) AF3(-25.5,2.5) AF4(-24.5,2.5) AF5(-23.5,2.5) AF6(-22.5,2.5) AF7(-21.5,2.5) AF8(-20.5,2.5) AF9(-19.5,2.5) AF10(-18.5,2.5) AF11(-17.5,2.5) AF12(-16.5,2.5) AF13(-15.5,2.5) AF14(-14.5,2.5) AF15(-13.5,2.5) AF16(-12.5,2.5) AF18(-10.5,2.5) AF19(-9.5,2.5) AF20(-8.5,2.5) AF21(-7.5,2.5) AF22(-6.5,2.5) AF23(-5.5,2.5) AF24(-4.5,2.5) AF25(-3.5,2.5) AF26(-2.5,2.5) AF27(-1.5,2.5) AF28(-0.5,2.5) AF29(0.5,2.5) AF30(1.5,2.5) AF31(2.5,2.5) AF32(3.5,2.5) AF33(4.5,2.5) AF34(5.5,2.5) AF35(6.5,2.5) AF36(7.5,2.5) AF37(8.5,2.5) AF38(9.5,2.5) AF39(10.5,2.5) AF41(12.5,2.5) AF42(13.5,2.5) AF43(14.5,2.5) AF44(15.5,2.5) AF45(16.5,2.5) AF46(17.5,2.5) AF47(18.5,2.5) AF48(19.5,2.5) AF49(20.5,2.5) AF50(21.5,2.5) AF51(22.5,2.5) AF52(23.5,2.5) AF53(24.5,2.5) AF54(25.5,2.5) AF55(26.5,2.5) AF56(27.5,2.5) AG1(-27.5,1.5) AG2(-26.5,1.5) AG3(-25.5,1.5) AG4(-24.5,1.5) AG5(-23.5,1.5) AG6(-22.5,1.5) AG7(-21.5,1.5) AG8(-20.5,1.5) AG9(-19.5,1.5) AG10(-18.5,1.5) AG11(-17.5,1.5) AG12(-16.5,1.5) AG13(-15.5,1.5) AG14(-14.5,1.5) AG15(-13.5,1.5) AG16(-12.5,1.5) AG18(-10.5,1.5) AG19(-9.5,1.5) AG20(-8.5,1.5) AG21(-7.5,1.5) AG22(-6.5,1.5) AG23(-5.5,1.5) AG24(-4.5,1.5) AG25(-3.5,1.5) AG26(-2.5,1.5) AG27(-1.5,1.5) AG28(-0.5,1.5) AG29(0.5,1.5) AG30(1.5,1.5) AG31(2.5,1.5) AG32(3.5,1.5) AG33(4.5,1.5) AG34(5.5,1.5) AG35(6.5,1.5) AG36(7.5,1.5) AG37(8.5,1.5) AG38(9.5,1.5) AG39(10.5,1.5) AG41(12.5,1.5) AG42(13.5,1.5) AG43(14.5,1.5) AG44(15.5,1.5) AG45(16.5,1.5) AG46(17.5,1.5) AG47(18.5,1.5) AG48(19.5,1.5) AG49(20.5,1.5) AG50(21.5,1.5) AG51(22.5,1.5) AG52(23.5,1.5) AG53(24.5,1.5) AG54(25.5,1.5) AG55(26.5,1.5) AG56(27.5,1.5) AH1(-27.5,0.5) AH2(-26.5,0.5) AH3(-25.5,0.5) AH4(-24.5,0.5) AH5(-23.5,0.5) AH6(-22.5,0.5) AH7(-21.5,0.5) AH8(-20.5,0.5) AH9(-19.5,0.5) AH10(-18.5,0.5) AH11(-17.5,0.5) AH12(-16.5,0.5) AH13(-15.5,0.5) AH14(-14.5,0.5) AH15(-13.5,0.5) AH16(-12.5,0.5) AH18(-10.5,0.5) AH19(-9.5,0.5) AH20(-8.5,0.5) AH21(-7.5,0.5) AH22(-6.5,0.5) AH23(-5.5,0.5) AH24(-4.5,0.5) AH25(-3.5,0.5) AH26(-2.5,0.5) AH27(-1.5,0.5) AH28(-0.5,0.5) AH29(0.5,0.5) AH30(1.5,0.5) AH31(2.5,0.5) AH32(3.5,0.5) AH33(4.5,0.5) AH34(5.5,0.5) AH35(6.5,0.5) AH36(7.5,0.5) AH37(8.5,0.5) AH38(9.5,0.5) AH39(10.5,0.5) AH41(12.5,0.5) AH42(13.5,0.5) AH43(14.5,0.5) AH44(15.5,0.5) AH45(16.5,0.5) AH46(17.5,0.5) AH47(18.5,0.5) AH48(19.5,0.5) AH49(20.5,0.5) AH50(21.5,0.5) AH51(22.5,0.5) AH52(23.5,0.5) AH53(24.5,0.5) AH54(25.5,0.5) AH55(26.5,0.5) AH56(27.5,0.5) AJ1(-27.5,-0.5) AJ2(-26.5,-0.5) AJ3(-25.5,-0.5) AJ4(-24.5,-0.5) AJ5(-23.5,-0.5) AJ6(-22.5,-0.5) AJ7(-21.5,-0.5) AJ8(-20.5,-0.5) AJ9(-19.5,-0.5) AJ10(-18.5,-0.5) AJ11(-17.5,-0.5) AJ12(-16.5,-0.5) AJ13(-15.5,-0.5) AJ14(-14.5,-0.5) AJ15(-13.5,-0.5) AJ16(-12.5,-0.5) AJ18(-10.5,-0.5) AJ19(-9.5,-0.5) AJ20(-8.5,-0.5) AJ21(-7.5,-0.5) AJ22(-6.5,-0.5) AJ23(-5.5,-0.5) AJ24(-4.5,-0.5) AJ25(-3.5,-0.5) AJ26(-2.5,-0.5) AJ27(-1.5,-0.5) AJ28(-0.5,-0.5) AJ29(0.5,-0.5) AJ30(1.5,-0.5) AJ31(2.5,-0.5) AJ32(3.5,-0.5) AJ33(4.5,-0.5) AJ34(5.5,-0.5) AJ35(6.5,-0.5) AJ36(7.5,-0.5) AJ37(8.5,-0.5) AJ38(9.5,-0.5) AJ39(10.5,-0.5) AJ41(12.5,-0.5) AJ42(13.5,-0.5) AJ43(14.5,-0.5) AJ44(15.5,-0.5) AJ45(16.5,-0.5) AJ46(17.5,-0.5) AJ47(18.5,-0.5) AJ48(19.5,-0.5) AJ49(20.5,-0.5) AJ50(21.5,-0.5) AJ51(22.5,-0.5) AJ52(23.5,-0.5) AJ53(24.5,-0.5) AJ54(25.5,-0.5) AJ55(26.5,-0.5) AJ56(27.5,-0.5) AK1(-27.5,-1.5) AK2(-26.5,-1.5) AK3(-25.5,-1.5) AK4(-24.5,-1.5) AK5(-23.5,-1.5) AK6(-22.5,-1.5) AK7(-21.5,-1.5) AK8(-20.5,-1.5) AK9(-19.5,-1.5) AK10(-18.5,-1.5) AK11(-17.5,-1.5) AK12(-16.5,-1.5) AK13(-15.5,-1.5) AK14(-14.5,-1.5) AK15(-13.5,-1.5) AK16(-12.5,-1.5) AK18(-10.5,-1.5) AK19(-9.5,-1.5) AK20(-8.5,-1.5) AK21(-7.5,-1.5) AK22(-6.5,-1.5) AK23(-5.5,-1.5) AK24(-4.5,-1.5) AK25(-3.5,-1.5) AK26(-2.5,-1.5) AK27(-1.5,-1.5) AK28(-0.5,-1.5) AK29(0.5,-1.5) AK30(1.5,-1.5) AK31(2.5,-1.5) AK32(3.5,-1.5) AK33(4.5,-1.5) AK34(5.5,-1.5) AK35(6.5,-1.5) AK36(7.5,-1.5) AK37(8.5,-1.5) AK38(9.5,-1.5) AK39(10.5,-1.5) AK41(12.5,-1.5) AK42(13.5,-1.5) AK43(14.5,-1.5) AK44(15.5,-1.5) AK45(16.5,-1.5) AK46(17.5,-1.5) AK47(18.5,-1.5) AK48(19.5,-1.5) AK49(20.5,-1.5) AK50(21.5,-1.5) AK51(22.5,-1.5) AK52(23.5,-1.5) AK53(24.5,-1.5) AK54(25.5,-1.5) AK55(26.5,-1.5) AK56(27.5,-1.5) AL1(-27.5,-2.5) AL2(-26.5,-2.5) AL3(-25.5,-2.5) AL4(-24.5,-2.5) AL5(-23.5,-2.5) AL6(-22.5,-2.5) AL7(-21.5,-2.5) AL8(-20.5,-2.5) AL9(-19.5,-2.5) AL10(-18.5,-2.5) AL11(-17.5,-2.5) AL12(-16.5,-2.5) AL13(-15.5,-2.5) AL14(-14.5,-2.5) AL15(-13.5,-2.5) AL16(-12.5,-2.5) AL18(-10.5,-2.5) AL19(-9.5,-2.5) AL20(-8.5,-2.5) AL21(-7.5,-2.5) AL22(-6.5,-2.5) AL23(-5.5,-2.5) AL24(-4.5,-2.5) AL25(-3.5,-2.5) AL26(-2.5,-2.5) AL27(-1.5,-2.5) AL28(-0.5,-2.5) AL29(0.5,-2.5) AL30(1.5,-2.5) AL31(2.5,-2.5) AL32(3.5,-2.5) AL33(4.5,-2.5) AL34(5.5,-2.5) AL35(6.5,-2.5) AL36(7.5,-2.5) AL37(8.5,-2.5) AL38(9.5,-2.5) AL39(10.5,-2.5) AL41(12.5,-2.5) AL42(13.5,-2.5) AL43(14.5,-2.5) AL44(15.5,-2.5) AL45(16.5,-2.5) AL46(17.5,-2.5) AL47(18.5,-2.5) AL48(19.5,-2.5) AL49(20.5,-2.5) AL50(21.5,-2.5) AL51(22.5,-2.5) AL52(23.5,-2.5) AL53(24.5,-2.5) AL54(25.5,-2.5) AL55(26.5,-2.5) AL56(27.5,-2.5) AM1(-27.5,-3.5) AM2(-26.5,-3.5) AM3(-25.5,-3.5) AM4(-24.5,-3.5) AM5(-23.5,-3.5) AM6(-22.5,-3.5) AM7(-21.5,-3.5) AM8(-20.5,-3.5) AM9(-19.5,-3.5) AM10(-18.5,-3.5) AM11(-17.5,-3.5) AM12(-16.5,-3.5) AM13(-15.5,-3.5) AM14(-14.5,-3.5) AM15(-13.5,-3.5) AM16(-12.5,-3.5) AM18(-10.5,-3.5) AM19(-9.5,-3.5) AM20(-8.5,-3.5) AM21(-7.5,-3.5) AM22(-6.5,-3.5) AM23(-5.5,-3.5) AM24(-4.5,-3.5) AM25(-3.5,-3.5) AM26(-2.5,-3.5) AM27(-1.5,-3.5) AM28(-0.5,-3.5) AM29(0.5,-3.5) AM30(1.5,-3.5) AM31(2.5,-3.5) AM32(3.5,-3.5) AM33(4.5,-3.5) AM34(5.5,-3.5) AM35(6.5,-3.5) AM36(7.5,-3.5) AM37(8.5,-3.5) AM38(9.5,-3.5) AM39(10.5,-3.5) AM41(12.5,-3.5) AM42(13.5,-3.5) AM43(14.5,-3.5) AM44(15.5,-3.5) AM45(16.5,-3.5) AM46(17.5,-3.5) AM47(18.5,-3.5) AM48(19.5,-3.5) AM49(20.5,-3.5) AM50(21.5,-3.5) AM51(22.5,-3.5) AM52(23.5,-3.5) AM53(24.5,-3.5) AM54(25.5,-3.5) AM55(26.5,-3.5) AM56(27.5,-3.5) AN1(-27.5,-4.5) AN2(-26.5,-4.5) AN3(-25.5,-4.5) AN4(-24.5,-4.5) AN5(-23.5,-4.5) AN6(-22.5,-4.5) AN7(-21.5,-4.5) AN8(-20.5,-4.5) AN9(-19.5,-4.5) AN10(-18.5,-4.5) AN11(-17.5,-4.5) AN12(-16.5,-4.5) AN13(-15.5,-4.5) AN14(-14.5,-4.5) AN15(-13.5,-4.5) AN16(-12.5,-4.5) AN18(-10.5,-4.5) AN19(-9.5,-4.5) AN20(-8.5,-4.5) AN21(-7.5,-4.5) AN22(-6.5,-4.5) AN23(-5.5,-4.5) AN24(-4.5,-4.5) AN25(-3.5,-4.5) AN26(-2.5,-4.5) AN27(-1.5,-4.5) AN28(-0.5,-4.5) AN29(0.5,-4.5) AN30(1.5,-4.5) AN31(2.5,-4.5) AN32(3.5,-4.5) AN33(4.5,-4.5) AN34(5.5,-4.5) AN35(6.5,-4.5) AN36(7.5,-4.5) AN37(8.5,-4.5) AN38(9.5,-4.5) AN39(10.5,-4.5) AN41(12.5,-4.5) AN42(13.5,-4.5) AN43(14.5,-4.5) AN44(15.5,-4.5) AN45(16.5,-4.5) AN46(17.5,-4.5) AN47(18.5,-4.5) AN48(19.5,-4.5) AN49(20.5,-4.5) AN50(21.5,-4.5) AN51(22.5,-4.5) AN52(23.5,-4.5) AN53(24.5,-4.5) AN54(25.5,-4.5) AN55(26.5,-4.5) AN56(27.5,-4.5) AP1(-27.5,-5.5) AP2(-26.5,-5.5) AP3(-25.5,-5.5) AP4(-24.5,-5.5) AP5(-23.5,-5.5) AP6(-22.5,-5.5) AP7(-21.5,-5.5) AP8(-20.5,-5.5) AP9(-19.5,-5.5) AP10(-18.5,-5.5) AP11(-17.5,-5.5) AP12(-16.5,-5.5) AP13(-15.5,-5.5) AP14(-14.5,-5.5) AP15(-13.5,-5.5) AP16(-12.5,-5.5) AP18(-10.5,-5.5) AP19(-9.5,-5.5) AP20(-8.5,-5.5) AP21(-7.5,-5.5) AP22(-6.5,-5.5) AP23(-5.5,-5.5) AP24(-4.5,-5.5) AP25(-3.5,-5.5) AP26(-2.5,-5.5) AP27(-1.5,-5.5) AP28(-0.5,-5.5) AP29(0.5,-5.5) AP30(1.5,-5.5) AP31(2.5,-5.5) AP32(3.5,-5.5) AP33(4.5,-5.5) AP34(5.5,-5.5) AP35(6.5,-5.5) AP36(7.5,-5.5) AP37(8.5,-5.5) AP38(9.5,-5.5) AP39(10.5,-5.5) AP41(12.5,-5.5) AP42(13.5,-5.5) AP43(14.5,-5.5) AP44(15.5,-5.5) AP45(16.5,-5.5) AP46(17.5,-5.5) AP47(18.5,-5.5) AP48(19.5,-5.5) AP49(20.5,-5.5) AP50(21.5,-5.5) AP51(22.5,-5.5) AP52(23.5,-5.5) AP53(24.5,-5.5) AP54(25.5,-5.5) AP55(26.5,-5.5) AP56(27.5,-5.5) AR1(-27.5,-6.5) AR2(-26.5,-6.5) AR3(-25.5,-6.5) AR4(-24.5,-6.5) AR5(-23.5,-6.5) AR6(-22.5,-6.5) AR7(-21.5,-6.5) AR8(-20.5,-6.5) AR9(-19.5,-6.5) AR10(-18.5,-6.5) AR11(-17.5,-6.5) AR12(-16.5,-6.5) AR13(-15.5,-6.5) AR14(-14.5,-6.5) AR15(-13.5,-6.5) AR16(-12.5,-6.5) AR18(-10.5,-6.5) AR19(-9.5,-6.5) AR20(-8.5,-6.5) AR21(-7.5,-6.5) AR22(-6.5,-6.5) AR23(-5.5,-6.5) AR24(-4.5,-6.5) AR25(-3.5,-6.5) AR26(-2.5,-6.5) AR27(-1.5,-6.5) AR28(-0.5,-6.5) AR29(0.5,-6.5) AR30(1.5,-6.5) AR31(2.5,-6.5) AR32(3.5,-6.5) AR33(4.5,-6.5) AR34(5.5,-6.5) AR35(6.5,-6.5) AR36(7.5,-6.5) AR37(8.5,-6.5) AR38(9.5,-6.5) AR39(10.5,-6.5) AR41(12.5,-6.5) AR42(13.5,-6.5) AR43(14.5,-6.5) AR44(15.5,-6.5) AR45(16.5,-6.5) AR46(17.5,-6.5) AR47(18.5,-6.5) AR48(19.5,-6.5) AR49(20.5,-6.5) AR50(21.5,-6.5) AR51(22.5,-6.5) AR52(23.5,-6.5) AR53(24.5,-6.5) AR54(25.5,-6.5) AR55(26.5,-6.5) AR56(27.5,-6.5) AT1(-27.5,-7.5) AT2(-26.5,-7.5) AT3(-25.5,-7.5) AT4(-24.5,-7.5) AT5(-23.5,-7.5) AT6(-22.5,-7.5) AT7(-21.5,-7.5) AT8(-20.5,-7.5) AT9(-19.5,-7.5) AT10(-18.5,-7.5) AT11(-17.5,-7.5) AT12(-16.5,-7.5) AT13(-15.5,-7.5) AT14(-14.5,-7.5) AT15(-13.5,-7.5) AT16(-12.5,-7.5) AT18(-10.5,-7.5) AT19(-9.5,-7.5) AT20(-8.5,-7.5) AT21(-7.5,-7.5) AT22(-6.5,-7.5) AT23(-5.5,-7.5) AT24(-4.5,-7.5) AT25(-3.5,-7.5) AT26(-2.5,-7.5) AT27(-1.5,-7.5) AT28(-0.5,-7.5) AT29(0.5,-7.5) AT30(1.5,-7.5) AT31(2.5,-7.5) AT32(3.5,-7.5) AT33(4.5,-7.5) AT34(5.5,-7.5) AT35(6.5,-7.5) AT36(7.5,-7.5) AT37(8.5,-7.5) AT38(9.5,-7.5) AT39(10.5,-7.5) AT41(12.5,-7.5) AT42(13.5,-7.5) AT43(14.5,-7.5) AT44(15.5,-7.5) AT45(16.5,-7.5) AT46(17.5,-7.5) AT47(18.5,-7.5) AT48(19.5,-7.5) AT49(20.5,-7.5) AT50(21.5,-7.5) AT51(22.5,-7.5) AT52(23.5,-7.5) AT53(24.5,-7.5) AT54(25.5,-7.5) AT55(26.5,-7.5) AT56(27.5,-7.5) AU1(-27.5,-8.5) AU2(-26.5,-8.5) AU3(-25.5,-8.5) AU4(-24.5,-8.5) AU5(-23.5,-8.5) AU6(-22.5,-8.5) AU7(-21.5,-8.5) AU8(-20.5,-8.5) AU9(-19.5,-8.5) AU10(-18.5,-8.5) AU11(-17.5,-8.5) AU12(-16.5,-8.5) AU13(-15.5,-8.5) AU14(-14.5,-8.5) AU15(-13.5,-8.5) AU16(-12.5,-8.5) AU18(-10.5,-8.5) AU19(-9.5,-8.5) AU20(-8.5,-8.5) AU21(-7.5,-8.5) AU22(-6.5,-8.5) AU23(-5.5,-8.5) AU24(-4.5,-8.5) AU25(-3.5,-8.5) AU26(-2.5,-8.5) AU27(-1.5,-8.5) AU28(-0.5,-8.5) AU29(0.5,-8.5) AU30(1.5,-8.5) AU31(2.5,-8.5) AU32(3.5,-8.5) AU33(4.5,-8.5) AU34(5.5,-8.5) AU35(6.5,-8.5) AU36(7.5,-8.5) AU37(8.5,-8.5) AU38(9.5,-8.5) AU39(10.5,-8.5) AU41(12.5,-8.5) AU42(13.5,-8.5) AU43(14.5,-8.5) AU44(15.5,-8.5) AU45(16.5,-8.5) AU46(17.5,-8.5) AU47(18.5,-8.5) AU48(19.5,-8.5) AU49(20.5,-8.5) AU50(21.5,-8.5) AU51(22.5,-8.5) AU52(23.5,-8.5) AU53(24.5,-8.5) AU54(25.5,-8.5) AU55(26.5,-8.5) AU56(27.5,-8.5) AV1(-27.5,-9.5) AV2(-26.5,-9.5) AV3(-25.5,-9.5) AV4(-24.5,-9.5) AV5(-23.5,-9.5) AV6(-22.5,-9.5) AV7(-21.5,-9.5) AV8(-20.5,-9.5) AV9(-19.5,-9.5) AV10(-18.5,-9.5) AV11(-17.5,-9.5) AV12(-16.5,-9.5) AV13(-15.5,-9.5) AV14(-14.5,-9.5) AV15(-13.5,-9.5) AV16(-12.5,-9.5) AV18(-10.5,-9.5) AV19(-9.5,-9.5) AV20(-8.5,-9.5) AV21(-7.5,-9.5) AV22(-6.5,-9.5) AV23(-5.5,-9.5) AV24(-4.5,-9.5) AV25(-3.5,-9.5) AV26(-2.5,-9.5) AV27(-1.5,-9.5) AV28(-0.5,-9.5) AV29(0.5,-9.5) AV30(1.5,-9.5) AV31(2.5,-9.5) AV32(3.5,-9.5) AV33(4.5,-9.5) AV34(5.5,-9.5) AV35(6.5,-9.5) AV36(7.5,-9.5) AV37(8.5,-9.5) AV38(9.5,-9.5) AV39(10.5,-9.5) AV41(12.5,-9.5) AV42(13.5,-9.5) AV43(14.5,-9.5) AV44(15.5,-9.5) AV45(16.5,-9.5) AV46(17.5,-9.5) AV47(18.5,-9.5) AV48(19.5,-9.5) AV49(20.5,-9.5) AV50(21.5,-9.5) AV51(22.5,-9.5) AV52(23.5,-9.5) AV53(24.5,-9.5) AV54(25.5,-9.5) AV55(26.5,-9.5) AV56(27.5,-9.5) AW1(-27.5,-10.5) AW2(-26.5,-10.5) AW3(-25.5,-10.5) AW4(-24.5,-10.5) AW5(-23.5,-10.5) AW6(-22.5,-10.5) AW7(-21.5,-10.5) AW8(-20.5,-10.5) AW9(-19.5,-10.5) AW10(-18.5,-10.5) AW11(-17.5,-10.5) AW12(-16.5,-10.5) AW13(-15.5,-10.5) AW14(-14.5,-10.5) AW15(-13.5,-10.5) AW16(-12.5,-10.5) AW18(-10.5,-10.5) AW19(-9.5,-10.5) AW20(-8.5,-10.5) AW21(-7.5,-10.5) AW22(-6.5,-10.5) AW23(-5.5,-10.5) AW24(-4.5,-10.5) AW25(-3.5,-10.5) AW26(-2.5,-10.5) AW27(-1.5,-10.5) AW28(-0.5,-10.5) AW29(0.5,-10.5) AW30(1.5,-10.5) AW31(2.5,-10.5) AW32(3.5,-10.5) AW33(4.5,-10.5) AW34(5.5,-10.5) AW35(6.5,-10.5) AW36(7.5,-10.5) AW37(8.5,-10.5) AW38(9.5,-10.5) AW39(10.5,-10.5) AW41(12.5,-10.5) AW42(13.5,-10.5) AW43(14.5,-10.5) AW44(15.5,-10.5) AW45(16.5,-10.5) AW46(17.5,-10.5) AW47(18.5,-10.5) AW48(19.5,-10.5) AW49(20.5,-10.5) AW50(21.5,-10.5) AW51(22.5,-10.5) AW52(23.5,-10.5) AW53(24.5,-10.5) AW54(25.5,-10.5) AW55(26.5,-10.5) AW56(27.5,-10.5) AY1(-27.5,-11.5) AY2(-26.5,-11.5) AY3(-25.5,-11.5) AY4(-24.5,-11.5) AY5(-23.5,-11.5) AY6(-22.5,-11.5) AY7(-21.5,-11.5) AY8(-20.5,-11.5) AY9(-19.5,-11.5) AY10(-18.5,-11.5) AY11(-17.5,-11.5) AY12(-16.5,-11.5) AY13(-15.5,-11.5) AY14(-14.5,-11.5) AY15(-13.5,-11.5) AY16(-12.5,-11.5) AY41(12.5,-11.5) AY42(13.5,-11.5) AY43(14.5,-11.5) AY44(15.5,-11.5) AY45(16.5,-11.5) AY46(17.5,-11.5) AY47(18.5,-11.5) AY48(19.5,-11.5) AY49(20.5,-11.5) AY50(21.5,-11.5) AY51(22.5,-11.5) AY52(23.5,-11.5) AY53(24.5,-11.5) AY54(25.5,-11.5) AY55(26.5,-11.5) AY56(27.5,-11.5) B1(-27.5,26.5) B2(-26.5,26.5) B3(-25.5,26.5) B4(-24.5,26.5) B5(-23.5,26.5) B6(-22.5,26.5) B7(-21.5,26.5) B8(-20.5,26.5) B9(-19.5,26.5) B10(-18.5,26.5) B11(-17.5,26.5) B12(-16.5,26.5) B13(-15.5,26.5) B14(-14.5,26.5) B15(-13.5,26.5) B16(-12.5,26.5) B17(-11.5,26.5) B18(-10.5,26.5) B19(-9.5,26.5) B20(-8.5,26.5) B21(-7.5,26.5) B22(-6.5,26.5) B23(-5.5,26.5) B24(-4.5,26.5) B25(-3.5,26.5) B26(-2.5,26.5) B27(-1.5,26.5) B28(-0.5,26.5) B29(0.5,26.5) B30(1.5,26.5) B31(2.5,26.5) B32(3.5,26.5) B33(4.5,26.5) B34(5.5,26.5) B35(6.5,26.5) B36(7.5,26.5) B37(8.5,26.5) B38(9.5,26.5) B39(10.5,26.5) B40(11.5,26.5) B41(12.5,26.5) B42(13.5,26.5) B43(14.5,26.5) B44(15.5,26.5) B45(16.5,26.5) B46(17.5,26.5) B47(18.5,26.5) B48(19.5,26.5) B49(20.5,26.5) B50(21.5,26.5) B51(22.5,26.5) B52(23.5,26.5) B53(24.5,26.5) B54(25.5,26.5) B55(26.5,26.5) B56(27.5,26.5) BA1(-27.5,-12.5) BA2(-26.5,-12.5) BA3(-25.5,-12.5) BA4(-24.5,-12.5) BA5(-23.5,-12.5) BA6(-22.5,-12.5) BA7(-21.5,-12.5) BA8(-20.5,-12.5) BA9(-19.5,-12.5) BA10(-18.5,-12.5) BA11(-17.5,-12.5) BA12(-16.5,-12.5) BA13(-15.5,-12.5) BA14(-14.5,-12.5) BA15(-13.5,-12.5) BA16(-12.5,-12.5) BA17(-11.5,-12.5) BA18(-10.5,-12.5) BA19(-9.5,-12.5) BA20(-8.5,-12.5) BA21(-7.5,-12.5) BA22(-6.5,-12.5) BA23(-5.5,-12.5) BA24(-4.5,-12.5) BA25(-3.5,-12.5) BA26(-2.5,-12.5) BA27(-1.5,-12.5) BA28(-0.5,-12.5) BA29(0.5,-12.5) BA30(1.5,-12.5) BA31(2.5,-12.5) BA32(3.5,-12.5) BA33(4.5,-12.5) BA34(5.5,-12.5) BA35(6.5,-12.5) BA36(7.5,-12.5) BA37(8.5,-12.5) BA38(9.5,-12.5) BA39(10.5,-12.5) BA40(11.5,-12.5) BA41(12.5,-12.5) BA42(13.5,-12.5) BA43(14.5,-12.5) BA44(15.5,-12.5) BA45(16.5,-12.5) BA46(17.5,-12.5) BA47(18.5,-12.5) BA48(19.5,-12.5) BA49(20.5,-12.5) BA50(21.5,-12.5) BA51(22.5,-12.5) BA52(23.5,-12.5) BA53(24.5,-12.5) BA54(25.5,-12.5) BA55(26.5,-12.5) BA56(27.5,-12.5) BB1(-27.5,-13.5) BB2(-26.5,-13.5) BB3(-25.5,-13.5) BB4(-24.5,-13.5) BB5(-23.5,-13.5) BB6(-22.5,-13.5) BB7(-21.5,-13.5) BB8(-20.5,-13.5) BB9(-19.5,-13.5) BB10(-18.5,-13.5) BB11(-17.5,-13.5) BB12(-16.5,-13.5) BB13(-15.5,-13.5) BB14(-14.5,-13.5) BB15(-13.5,-13.5) BB16(-12.5,-13.5) BB17(-11.5,-13.5) BB18(-10.5,-13.5) BB19(-9.5,-13.5) BB20(-8.5,-13.5) BB21(-7.5,-13.5) BB22(-6.5,-13.5) BB23(-5.5,-13.5) BB24(-4.5,-13.5) BB25(-3.5,-13.5) BB26(-2.5,-13.5) BB27(-1.5,-13.5) BB28(-0.5,-13.5) BB29(0.5,-13.5) BB30(1.5,-13.5) BB31(2.5,-13.5) BB32(3.5,-13.5) BB33(4.5,-13.5) BB34(5.5,-13.5) BB35(6.5,-13.5) BB36(7.5,-13.5) BB37(8.5,-13.5) BB38(9.5,-13.5) BB39(10.5,-13.5) BB40(11.5,-13.5) BB41(12.5,-13.5) BB42(13.5,-13.5) BB43(14.5,-13.5) BB44(15.5,-13.5) BB45(16.5,-13.5) BB46(17.5,-13.5) BB47(18.5,-13.5) BB48(19.5,-13.5) 